# KiCad board Gear80 hotswap.kicad_pcb (continued)
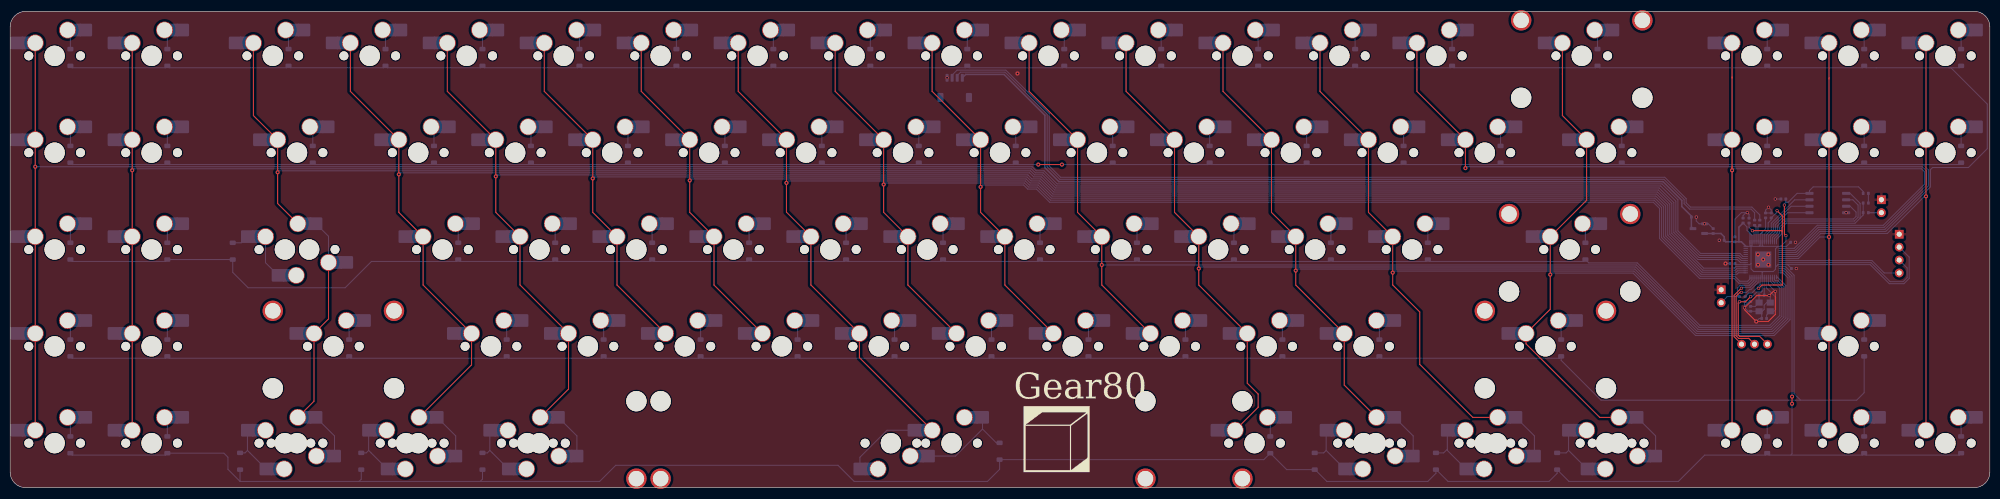
[diagram p0: board, top side]
## Nets (continued)
Net-(D17-A): D17.2 MX17.2
Net-(D18-A): D18.2 MX18.2
Net-(D19-A): D19.2 MX19.2
Net-(D20-A): D20.2 MX20.2
Net-(D21-A): D21.2 MX21.2
Net-(D22-A): D22.2 MX22.2
Net-(D23-A): D23.2 MX23.2
Net-(D24-A): D24.2 MX24.2
Net-(D25-A): D25.2 MX25.2
Net-(D26-A): D26.2 MX26.2
Net-(D27-A): D27.2 MX27.2
Net-(D28-A): D28.2 MX28.2
Net-(D29-A): D29.2 MX29.2
Net-(D30-A): D30.2 MX30.2
Net-(D31-A): D31.2 MX31.2
Net-(D32-A): D32.2 MX32.2
Net-(D33-A): D33.2 MX33.2
Net-(D34-A): D34.2 MX34.2
Net-(D35-A): D35.2 MX35.2
Net-(D36-A): D36.2 MX36.2
Net-(D37-A): D37.2 MX37.2
Net-(D38-A): D38.2 MX38.2
Net-(D40-A): D40.2 MX40.2
Net-(D41-A): D41.2 MX41.2
Net-(D42-A): D42.2 MX39.1 MX42.2
Net-(D43-A): D43.2 MX43.2
Net-(D44-A): D44.2 MX44.2
Net-(D45-A): D45.2 MX45.2
Net-(D46-A): D46.2 MX46.2
Net-(D47-A): D47.2 MX47.2
Net-(D48-A): D48.2 MX48.2
Net-(D49-A): D49.2 MX49.2
Net-(D50-A): D50.2 MX50.2
Net-(D51-A): D51.2 MX51.2
Net-(D52-A): D52.2 MX52.2
Net-(D53-A): D53.2 MX53.2
Net-(D54-A): D54.2 MX54.2
Net-(D55-A): D55.2 MX55.2
Net-(D56-A): D56.2 MX56.2
Net-(D57-A): D57.2 MX57.2
Net-(D58-A): D58.2 MX58.2
Net-(D59-A): D59.2 MX59.2
Net-(D60-A): D60.2 MX60.2
Net-(D61-A): D61.2 MX61.2
Net-(D62-A): D62.2 MX62.2
Net-(D63-A): D63.2 MX63.2
Net-(D64-A): D64.2 MX64.2
Net-(D65-A): D65.2 MX65.2
Net-(D66-A): D66.2 MX66.2
Net-(D67-A): D67.2 MX67.2
Net-(D68-A): D68.2 MX68.2
Net-(D69-A): D69.2 MX69.2
Net-(D70-A): D70.2 MX70.2
Net-(D71-A): D71.2 MX71.2
Net-(D72-A): D72.2 MX72.2 MX82.1
Net-(D73-A): D73.2 MX73.2 MX83.1
Net-(D74-A): D74.2 MX74.2 MX84.1
Net-(D75-A): D75.2 MX75.2 MX85.1
Net-(D76-A): D76.2 MX76.1 MX87.2
Net-(D77-A): D77.2 MX77.1 MX88.2
Net-(D78-A): D78.2 MX78.1 MX89.2
Net-(D79-A): D79.2 MX79.2
Net-(D80-A): D80.2 MX80.2
Net-(D81-A): D81.2 MX81.2
Net-(D86-A): D86.2 MX86.2
Net-(R6-Pad1): R6.1 R8.2
Net-(U1-USB_DM): R2.2 U1.46
Net-(U1-USB_DP): R1.2 U1.47

Pads without a net: J3 MP; U1 38 39 40 41

## Via types
v1: diameter 0.6, hole 0.4, Top to Bottom, 22 vias
v2: diameter 0.8, hole 0.4, Top to Bottom, 31 vias

## Routing (per net, layer and track width the routed paths; a pad name or vN(x,y) marks a point on that pad's centre or on a via; arc(x,y) is an arc through that point)
+1V1: length 43.1
  Top w0.2: v1(347.13,54.48) 348.17,53.44 348.17,50.42 ; v1(342.29,50.54) 348.05,50.54 348.17,50.42 ; 348.17,50.42 348.17,39.84 344.19,39.84 v1(343.51,39.17)
  Bottom w0.2: v1(347.13,54.48) 347.13,54.19 C3.1 ; C3.1 345.99,52.67 345.39,52.07 345.39,50.6 344.61,49.83 U1.50 ; C3.1 345.99,53.05 ; U1.23 343.81,39.89 343.33,39.41 ; U1.45 342.61,50.21 v1(342.29,50.54) 341.63,51.2 C1.1 ; 343.33,39.41 343.51,39.23 v1(343.51,39.17) ; 343.33,39.41 342.17,38.26 341.57,38.26 C2.1
+3V3: length 144
  Top w0.2: v1(341.94,37.56) 340.93,36.55 v1(339.75,36.55) 339.5,36.3 339.5,30.01 339.75,29.75 343.7,29.75 J2.1 ; v1(348.88,49.56) 348.57,49.86 v1(348.57,55.57)
  Bottom w0.2: 344.41,42.5 346.39,42.5 346.83,42.93 ; 344.41,42.5 342.54,42.5 342.03,43.01 342.03,44.07 ; 344.41,42.5 344.21,42.3 U1.22 344.21,38.62 344.04,38.45 343.14,38.45 342.24,37.56 v1(341.94,37.56) ; C11.1 341.23,51.27 341.23,50.61 342.21,49.62 U1.44 342.21,47.64 342.03,47.45 ; 344.41,47.45 344.21,47.65 U1.49 344.21,50.22 ; 344.41,47.45 347.58,47.45 ; 344.41,47.45 343.61,47.45 ; 342.03,47.45 343.61,47.45 ; 342.03,47.45 U1.42 ; 342.03,47.45 341.81,47.67 U1.43 341.81,50.02 ; 342.03,47.45 342.03,44.07 ; C8.1 349,47.45 U1.1 348.88,48.48 v1(348.88,49.56) ; 343.61,47.45 343.81,47.65 U1.48 343.81,49.82 344.88,50.89 C10.1 ; 349.21,43.85 C6.1 ; 349.21,43.85 U1.10 347.32,43.85 346.83,43.36 346.83,42.93 ; 349.21,43.85 365.44,43.85 369.18,40.11 372.07,40.11 373.1,41.14 373.1,45.34 J1.2 ; 342.03,44.07 341.81,43.85 U1.33 339.09,43.85 C9.1 ; 346.83,42.93 346.83,46.96 347.32,47.45 ; 348.86,56.13 348.57,55.84 v1(348.57,55.57) ; 348.86,56.13 C12.1 ; 348.86,56.13 349.33,56.13 351.07,57.88 U3.8 353.51,58.42 353.51,58.42 354.24,59.15 363.15,59.15 364.06,58.24 R6.2
  Bottom w0.3: 339.64,48.35 C5.1 337.05,48.35 C4.1 336.75,48.66 336.75,49.34 336.11,49.98 C16.1 332.9,49.98 U4.2 ; 339.64,48.35 340.13,48.35 340.98,47.5 ; 339.64,48.35 339.64,51.23 C11.1
+5V: length 164.4
  Bottom w0.3: U4.3 330.3,51.25 330.3,53.41 328.43,55.28 328.43,56.48 324.73,60.19 206.03,60.19 203.29,62.92 203.29,73.24 195.26,81.27 187.72,81.27 J3.1
GND: length 57.4
  Top w0.2: v1(332.89,51.89) 332.92,51.86 ; v1(346.79,38.6) 346.41,38.6 v1(345.57,37.76) 343.14,37.76 v1(340.74,35.36) 340.74,34.97 v2(343.05,32.66) 345.4,32.66 346.79,34.05 v1(346.79,38.6)
  Bottom w0.2: C12.2 v1(346.79,56.77) ; Y1.4 344.25,34.68 344.6,35.04 344.6,35.88 345.1,36.38 Y1.2 345.8,37.52 v1(345.57,37.76) ; Y1.4 343.6,34.68 C14.1 341.42,34.68 v1(340.74,35.36) ; Y1.4 344.12,34.17 C13.1 343.64,33.26 v2(343.05,32.66) ; C11.2 340.46,53.51 341.03,54.08 v1(341.28,54.08) ; C5.2 338.85,52.8 340.13,54.08 v1(341.28,54.08) ; C1.2 341.63,53.73 v1(341.28,54.08) ; U1.19 345.41,39.98 v1(346.79,38.6) ; C16.2 333.64,51.89 v1(332.89,51.89) 331.82,51.89 331.26,52.45 v1(331.26,53.21) ; v1(340.74,35.36) 340.74,35.66 341.86,36.78 ; v1(340.74,35.36) 340.74,36.79 ; v2(337.02,44.06) C9.2 ; 344.88,54.01 C10.2 344.88,54.57 v1(345.47,55.15) 345.99,54.62 C3.2 344.88,54.01
  vias: v1(184.07,80.61) v1(335.78,48.65) v1(350.76,48.25) v1(350.92,43.09) v1(360.71,54.07) v2(197.9,81.46) v2(343.38,45.88) v2(343.4,43.82) v2(344.41,44.86) v2(345.43,45.87) v2(345.44,43.83)
COL0: length 423.2
  Top w0.2: MX70.1 MX55.1 MX40.1 v2(4.92,63.12) MX20.1 MX1.1
  Bottom w0.2: v2(4.92,63.12) 200.74,63.12 200.76,63.14 201.58,62.32 203.12,62.32 205.71,59.74 324.54,59.74 327.65,56.62 327.65,50.5 332.09,46.06 339.84,46.06 340.44,45.45 U1.37
COL1: length 404.4
  Top w0.2: 23.97,62.67 MX21.1 MX2.1 ; 23.97,62.67 MX41.1 MX56.1 MX71.1 ; 23.97,62.67 v2(23.97,62.42)
  Bottom w0.2: U1.36 340.28,45.05 339.67,45.66 331.93,45.66 327.25,50.33 327.25,56.34 324.26,59.34 205.54,59.34 202.95,61.92 201.41,61.92 200.62,62.72 24.27,62.72 v2(23.97,62.42)
COL2: length 389.6
  Top w0.2: 52.55,62.32 v2(52.55,62.02) ; 52.55,62.32 MX22.1 47.78,73.18 MX3.1 ; 52.55,62.32 52.55,55.88 MX39.2 ; MX42.1 62.55,33.18 MX57.1 59.69,16.99 MX82.2
  Bottom w0.2: U1.35 340.11,44.65 339.51,45.26 331.76,45.26 326.85,50.17 326.85,56.06 323.98,58.94 205.37,58.94 202.79,61.52 201.25,61.52 200.45,62.32 52.85,62.32 v2(52.55,62.02) ; MX72.1 63.72,10.16 MX82.2 ; MX42.1 62.55,49.43 MX39.2
COL3: length 372.5
  Top w0.2: 76.36,61.53 76.36,54.13 MX43.1 81.12,39.85 MX58.1 90.65,24.13 MX83.2 ; 76.36,61.53 v2(76.36,61.62) ; 76.36,61.53 MX23.1 66.83,77.95 MX4.1
  Bottom w0.2: U1.34 339.95,44.25 339.34,44.86 331.6,44.86 326.45,50 326.45,55.9 323.81,58.54 205.21,58.54 202.62,61.12 201.08,61.12 200.29,61.92 76.66,61.92 v2(76.36,61.62) ; MX73.1 87.53,10.16 MX83.2
COL4: length 352.1
  Top w0.2: MX5.1 85.88,77.95 MX24.1 95.41,61.53 ; 95.41,61.53 v2(95.41,61.22) ; 95.41,61.53 95.41,54.13 MX44.1 100.17,39.85 MX59.1 109.7,19.37 MX84.2
  Bottom w0.2: MX84.2 111.34,10.16 MX74.1 ; v2(95.41,61.22) 95.71,61.52 199.94,61.52 200.74,60.72 202.46,60.72 205.04,58.14 323.65,58.14 326.05,55.73 326.05,49.84 332.73,43.16 338.74,43.16 339.03,43.45 U1.32
COL5: length 304.9
  Top w0.2: 114.46,60.73 114.46,54.13 MX45.1 119.22,39.85 MX60.1 ; 114.46,60.73 v2(114.46,60.82) ; 114.46,60.73 MX25.1 104.93,77.95 MX6.1
  Bottom w0.2: v2(114.46,60.82) 114.76,61.12 199.78,61.12 200.57,60.32 202.29,60.32 204.88,57.74 323.48,57.74 325.65,55.56 325.65,49.67 332.57,42.76 338.9,42.76 339.2,43.05 U1.31
COL6: length 286.1
  Top w0.2: MX61.1 138.27,39.85 MX46.1 133.51,54.13 133.51,60.73 ; 133.51,60.73 MX26.1 123.98,77.95 MX7.1 ; 133.51,60.73 v2(133.51,60.42)
  Bottom w0.2: v2(133.51,60.42) 133.81,60.72 199.61,60.72 200.41,59.92 202.13,59.92 204.71,57.34 323.32,57.34 325.25,55.4 325.25,49.5 332.4,42.36 339.07,42.36 339.36,42.65 U1.30
COL7: length 307
  Top w0.2: MX75.1 166.85,25.56 MX62.1 157.32,39.85 MX47.1 152.51,54.18 152.51,68.38 MX27.1 143.03,77.95 MX8.1
  Bottom w0.2: v2(152.51,59.94) 152.89,60.32 199.45,60.32 200.24,59.52 201.96,59.52 204.55,56.94 323.15,56.94 324.85,55.23 324.85,49.33 332.23,41.96 339.23,41.96 339.53,42.25 U1.29 ; MX75.1 172.26,11.27 166.95,5.96 MX85.2
COL8: length 249.7
  Top w0.2: 171.61,59.94 171.61,54.13 MX48.1 176.37,39.85 MX63.1 ; 171.61,59.94 v2(171.61,59.62) ; 171.61,59.94 MX28.1 162.08,77.95 MX9.1
  Bottom w0.2: U1.28 341.81,41.03 341.37,40.59 339.82,40.59 338.85,41.56 332.06,41.56 324.45,49.16 324.45,55.07 322.99,56.54 204.38,56.54 201.79,59.12 200.08,59.12 199.28,59.92 171.91,59.92 v2(171.61,59.62)
COL9: length 231
  Top w0.2: MX10.1 181.13,77.95 MX29.1 190.66,54.13 MX49.1 195.42,39.85 MX64.1
  Bottom w0.2: v2(190.66,59.15) 191.03,59.52 199.12,59.52 199.91,58.72 201.63,58.72 204.21,56.14 322.82,56.14 324.05,54.9 324.05,49 331.9,41.16 338.68,41.16 339.65,40.19 341.54,40.19 342.21,40.87 U1.27
COL10: length 215.7
  Top w0.2: MX65.1 214.47,39.85 214.47,44.07 ; 214.47,44.07 MX50.1 209.71,54.13 MX30.1 200.18,77.95 MX11.1 ; 214.47,44.07 v2(214.47,43.79)
  Bottom w0.2: v2(214.47,43.79) 319.51,43.79 331.78,31.52 345.9,31.52 348.08,33.7 348.08,39.38 347.18,40.28 346.65,40.28 346.21,40.72 U1.17
COL11: length 219.1
  Top w0.2: 233.52,43.27 233.52,39.85 MX66.1 243.05,20.54 245.19,18.4 245.19,15.79 MX86.1 ; 233.52,43.27 MX51.1 228.76,54.13 MX31.1 219.23,77.95 MX12.1 ; 233.52,43.27 v2(233.52,43.09)
  Bottom w0.2: U1.16 346.61,40.88 346.82,40.68 347.35,40.68 348.48,39.55 348.48,33.53 346.07,31.12 331.62,31.12 319.35,43.39 233.82,43.39 v2(233.52,43.09)
COL12: length 207
  Top w0.2: 252.57,42.48 MX52.1 247.81,54.13 MX32.1 238.28,77.95 MX13.1 ; 252.57,42.48 252.57,39.85 MX67.1 262.1,20.16 MX76.2 ; 252.57,42.48 v2(252.57,42.69)
  Bottom w0.2: U1.15 347.18,41.42 348.88,39.71 348.88,33.36 346.23,30.72 331.45,30.72 319.18,42.99 252.84,42.99 252.57,42.72 v2(252.57,42.69) ; MX76.2 275.65,10.16 MX87.1
COL13: length 194.3
  Top w0.2: 271.62,42.48 271.62,39.86 276.94,34.54 276.94,24.22 287.35,13.81 MX77.2 ; 271.62,42.48 MX53.1 266.86,54.13 MX33.1 257.33,77.95 MX14.1 ; 271.62,42.48 v2(271.62,42.29)
  Bottom w0.2: U1.14 348.3,42.25 349.28,41.28 349.28,33.2 346.4,30.32 331.28,30.32 319.02,42.59 271.92,42.59 v2(271.62,42.29) ; MX88.1 299.46,10.16 MX77.2
COL14: length 156.4
  Top w0.2: v2(285.91,62.84) 285.91,62.84 MX34.1 276.38,77.95 MX15.1
  Bottom w0.2: U1.3 350.66,46.65 355.2,51.19 368.18,51.19 376.47,59.49 376.47,62.32 375.67,63.12 286.18,63.12 v2(285.91,62.84)
COL15: length 164
  Top w0.2: 302.58,41.68 v2(302.58,41.89) ; 302.58,41.68 302.58,35.08 MX68.1 297.81,28.28 312.28,13.81 MX78.2 ; 302.58,41.68 MX54.1 309.72,56.51 MX35.1 304.96,73.18 MX16.1
  Bottom w0.2: MX89.1 323.27,10.16 MX78.2 ; U1.13 348.47,42.65 349.68,41.44 349.68,33.03 346.57,29.92 331.12,29.92 318.85,42.19 302.88,42.19 v2(302.58,41.89)
COL16: length 151.2
  Top w0.2: 338.3,80.58 MX36.1 338.3,63.12 ; 338.3,80.58 338.3,80.79 ; 338.3,80.58 MX17.1 ; 338.3,63.12 v2(338.3,62.42) ; 338.3,63.12 MX79.1
  Bottom w0.2: v2(338.3,62.42) 338.6,62.72 375.51,62.72 376.07,62.16 376.07,59.65 368.01,51.59 355.04,51.59 350.5,47.05 U1.2
COL17: length 87.6
  Top w0.2: MX80.1 MX69.1 MX37.1 357.35,80.58 ; MX18.1 357.35,80.58 ; 357.35,80.58 357.35,80.39
  Bottom w0.2: U1.7 351.32,45.05 355.57,49.29 v2(357.35,49.29)
COL18: length 109.7
  Top w0.2: MX19.1 MX38.1 MX81.1
  Bottom w0.2: v2(376.4,57.29) 376.1,57.29 368.8,49.99 355.7,49.99 351.16,45.45 U1.6
QSPI_SCLK: length 12.5
  Bottom w0.2: U1.52 345.41,49.5 346.39,50.48 346.39,51.84 349.89,55.34 U3.6
QSPI_SD0: length 11.5
  Bottom w0.2: U1.53 345.81,49.33 346.79,50.31 346.79,51.67 349.19,54.07 U3.5
QSPI_SD1: length 24.8
  Bottom w0.2: U3.2 362.03,56.61 363.06,55.58 363.06,53.17 362.32,52.43 348.81,52.43 347.59,51.22 347.59,49.98 346.61,49 U1.55
QSPI_SD2: length 23.1
  Bottom w0.2: U3.3 361.51,55.34 362.66,54.19 362.66,53.34 362.15,52.83 348.59,52.83 347.19,51.44 347.19,50.15 346.21,49.16 U1.54
QSPI_SD3: length 13.5
  Bottom w0.2: U3.7 350.6,56.61 345.99,52 345.99,50.64 345.01,49.66 U1.51
QSPI_SS: length 29.1
  Bottom w0.2: 363.45,53 363.46,53.01 363.46,55.9 361.48,57.88 U3.1 ; R8.1 R9.2 364.06,53.61 362.45,52 348.94,52 347.99,51.06 347.99,49.81 347.01,48.83 U1.56
RESET: length 10.5
  Bottom w0.2: U1.26 342.61,40.7 341.71,39.79 339.89,39.79 339.34,39.25 339.34,37.98 R7.1 337.36,37.57 RESET1.2
ROW0: length 447.5
  Bottom w0.2: 380.92,82.59 364.62,82.59 D18.1 363.88,82.59 345.57,82.59 D17.1 344.83,82.59 312.23,82.59 D16.1 311.49,82.59 283.66,82.59 D15.1 282.92,82.59 264.61,82.59 D14.1 263.87,82.59 245.56,82.59 D13.1 244.82,82.59 226.51,82.59 D12.1 225.77,82.59 207.46,82.59 D11.1 206.72,82.59 188.41,82.59 D10.1 187.67,82.59 169.36,82.59 D9.1 168.62,82.59 150.31,82.59 D8.1 149.57,82.59 131.26,82.59 D7.1 130.52,82.59 112.21,82.59 D6.1 111.47,82.59 93.16,82.59 D5.1 92.42,82.59 74.11,82.59 D4.1 73.37,82.59 55.06,82.59 D3.1 54.32,82.59 31.25,82.59 D2.1 30.5,82.59 12.2,82.59 D1.1 ; 380.92,82.59 382.93,82.59 D19.1 ; 380.92,82.59 381.29,82.59 388.44,75.44 388.44,66.66 384.73,62.96 377.69,62.96 377.27,62.53 377.27,59.15 368.51,50.39 355.53,50.39 350.99,45.85 U1.5
ROW1: length 416.5
  Top w0.2: v2(206.64,63.54) 206.63,63.54 v2(201.99,63.54)
  Bottom w0.2: 375.44,63.54 382.93,63.54 D38.1 ; 375.44,63.54 375.82,63.54 376.87,62.49 376.87,59.32 368.34,50.79 355.37,50.79 350.83,46.25 U1.4 ; 375.44,63.54 364.62,63.54 D37.1 363.88,63.54 345.57,63.54 D36.1 344.83,63.54 317,63.54 D35.1 316.25,63.54 293.18,63.54 D34.1 292.44,63.54 274.13,63.54 D33.1 273.39,63.54 255.08,63.54 D32.1 254.34,63.54 236.03,63.54 D31.1 235.29,63.54 216.98,63.54 D30.1 216.24,63.54 v2(206.64,63.54) ; v2(201.99,63.54) 201.99,63.54 197.93,63.54 D29.1 197.19,63.54 178.88,63.54 D28.1 178.14,63.54 159.83,63.54 D27.1 159.09,63.54 140.78,63.54 D26.1 140.04,63.54 121.73,63.54 D25.1 120.99,63.54 102.68,63.54 D24.1 101.94,63.54 83.63,63.54 D23.1 82.89,63.54 59.82,63.54 D22.1 59.08,63.54 31.25,63.54 D21.1 30.5,63.54 12.2,63.54 D20.1
ROW2: length 360.4
  Bottom w0.2: U1.18 345.81,40.55 346.49,39.88 347.02,39.88 347.68,39.22 347.68,33.86 345.74,31.92 331.95,31.92 319.68,44.19 310.15,44.19 D54.1 309.11,44.49 278.9,44.49 D53.1 278.15,44.49 259.85,44.49 D52.1 259.1,44.49 240.8,44.49 D51.1 240.05,44.49 221.75,44.49 D50.1 221,44.49 202.7,44.49 D49.1 201.95,44.49 183.65,44.49 D48.1 182.9,44.49 164.6,44.49 D47.1 163.85,44.49 145.55,44.49 D46.1 144.8,44.49 126.5,44.49 D45.1 125.75,44.49 107.45,44.49 D44.1 106.7,44.49 88.4,44.49 D43.1 87.65,44.49 70.99,44.49 65.8,39.3 46.75,39.3 43.72,42.33 D42.1 43.71,44.86 D41.1 30.5,44.49 12.2,44.49 D40.1
ROW3: length 396.7
  Bottom w0.2: U1.11 348.8,43.45 350.48,41.77 350.48,18.48 351.77,17.18 ; D69.1 364.25,18.67 362.77,17.18 312.55,17.18 304.72,25.02 D68.1 304.35,25.44 269.37,25.44 D67.1 268.63,25.44 250.32,25.44 D66.1 249.58,25.44 231.27,25.44 D65.1 230.53,25.44 212.22,25.44 D64.1 211.48,25.44 193.17,25.44 D63.1 192.43,25.44 174.12,25.44 D62.1 173.38,25.44 155.07,25.44 D61.1 154.33,25.44 136.02,25.44 D60.1 135.28,25.44 116.97,25.44 D59.1 116.23,25.44 97.92,25.44 D58.1 97.18,25.44 66.97,25.44 D57.1 66.22,25.44 31.25,25.44 D56.1 30.5,25.44 12.2,25.44 D55.1
ROW4: length 436.9
  Top w0.2: v2(350.08,16.48) v2(350.08,17.88)
  Bottom w0.2: 45.16,1.2 42.78,3.58 42.78,5.97 41.99,6.76 D71.1 30.5,6.39 12.2,6.39 D70.1 ; 45.16,1.2 68.54,1.2 ; 45.16,1.2 45.16,1.2 D72.1 ; 68.54,1.2 68.98,1.64 D73.1 ; 68.54,1.2 92.34,1.2 ; 349.84,6.39 350.08,6.63 v2(350.08,16.48) ; 92.34,1.2 92.79,1.66 D74.1 ; 92.34,1.2 115.81,1.2 118.98,4.38 162.64,4.38 165.81,1.2 192.01,1.2 194.39,3.58 D75.1 246.3,5.49 D86.1 250.81,3.52 D76.1 256.36,3.52 258.68,1.2 278.53,1.2 280.11,2.79 D77.1 280.18,3.52 282.49,1.2 302.34,1.2 303.93,2.79 D78.1 306.24,1.2 327.74,1.2 332.92,6.39 344.83,6.39 D79.1 345.57,6.39 363.88,6.39 D80.1 364.62,6.39 382.93,6.39 D81.1 ; U1.12 348.64,43.05 350.08,41.61 350.08,17.89 v2(350.08,17.88)
SCL: length 30.8
  Bottom w0.2: J1.3 372.7,43.2 372.7,41.31 371.9,40.51 369.35,40.51 365.6,44.25 U1.9
SDA: length 24.3
  Bottom w0.2: J1.4 368.2,42.22 365.77,44.65 U1.8
SWCLK: length 18.6
  Top w0.2: J2.2 341.56,29.35 339.59,29.35 339.1,29.84 339.1,37.65 339.84,38.39 340.14,38.39
  Bottom w0.2: U1.24 343.41,40.37 342.04,38.99 341.74,38.99 341.14,38.39 v1(340.14,38.39)
SWD: length 16.5
  Top w0.2: J2.3 338.7,29.68 338.7,37.82 340.07,39.19 v1(340.14,39.19)
  Bottom w0.2: U1.25 343.01,40.53 341.87,39.39 340.33,39.39 v1(340.14,39.19)
USB_D+: length 179
  Bottom w0.2: R1.1 343.74,53.63 342.19,55.18 330.12,55.18 329.28,56.02 329.28,56.84 325.08,61.04 206.38,61.04 204.14,63.28 204.14,73.59 195.61,82.12 186.04,82.12 185.07,81.15 J3.3
USB_D-: length 176.8
  Bottom w0.2: 342.73,52.61 342.73,54.08 342.03,54.78 329.95,54.78 328.88,55.85 328.88,56.67 324.91,60.64 206.21,60.64 203.74,63.11 203.74,73.43 195.45,81.72 186.72,81.72 186.07,81.06 J3.2
XIN: length 10.1
  Bottom w0.2: U1.20 345.01,39.3 346.86,37.45 346.86,35.04 346.5,34.68 Y1.3 345.8,34.65 345.08,33.93 C13.2
XOUT: length 3.6
  Bottom w0.2: U1.21 344.61,37.83 R5.2
Net-(BOOT1-Pad2): length 2.6
  Bottom w0.25: R9.1 367.63,54.07 BOOT1.2
Net-(C14-Pad2): length 3.4
  Bottom w0.2: C14.2 342.86,35.64 Y1.1 343.6,36.39 R5.1
Net-(D1-A): length 4
  Bottom w0.2: D1.2 11.83,89.46 MX1.2
Net-(D2-A): length 4
  Bottom w0.2: MX2.2 30.88,89.46 D2.2
Net-(D3-A): length 4
  Bottom w0.2: D3.2 54.69,89.46 MX3.2
Net-(D4-A): length 4
  Bottom w0.2: D4.2 73.74,89.46 MX4.2
Net-(D5-A): length 4
  Bottom w0.2: MX5.2 92.79,89.46 D5.2
Net-(D6-A): length 4
  Bottom w0.2: MX6.2 111.84,89.46 D6.2
Net-(D7-A): length 4
  Bottom w0.2: D7.2 130.89,89.46 MX7.2
Net-(D8-A): length 4
  Bottom w0.2: MX8.2 149.94,89.46 D8.2
Net-(D9-A): length 4
  Bottom w0.2: D9.2 168.99,89.46 MX9.2
Net-(D10-A): length 4
  Bottom w0.2: D10.2 188.04,89.46 MX10.2
Net-(D11-A): length 4
  Bottom w0.2: MX11.2 207.09,89.46 D11.2
Net-(D12-A): length 4
  Bottom w0.2: D12.2 226.14,89.46 MX12.2
Net-(D13-A): length 4
  Bottom w0.2: MX13.2 245.19,89.46 D13.2
Net-(D14-A): length 4
  Bottom w0.2: MX14.2 264.24,89.46 D14.2
Net-(D15-A): length 4
  Bottom w0.2: D15.2 283.29,89.46 MX15.2
Net-(D16-A): length 4
  Bottom w0.2: D16.2 311.86,89.46 MX16.2
Net-(D17-A): length 4
  Bottom w0.2: D17.2 345.2,89.46 MX17.2
Net-(D18-A): length 4
  Bottom w0.2: D18.2 364.25,89.46 MX18.2
Net-(D19-A): length 4
  Bottom w0.2: MX19.2 383.3,89.46 D19.2
Net-(D20-A): length 4
  Bottom w0.2: D20.2 11.83,70.41 MX20.2
Net-(D21-A): length 4
  Bottom w0.2: MX21.2 30.88,70.41 D21.2
Net-(D22-A): length 4
  Bottom w0.2: D22.2 59.45,70.41 MX22.2
Net-(D23-A): length 4
  Bottom w0.2: D23.2 83.26,70.41 MX23.2
Net-(D24-A): length 4
  Bottom w0.2: MX24.2 102.31,70.41 D24.2
Net-(D25-A): length 4
  Bottom w0.2: MX25.2 121.36,70.41 D25.2
Net-(D26-A): length 4
  Bottom w0.2: MX26.2 140.41,70.41 D26.2
Net-(D27-A): length 4
  Bottom w0.2: MX27.2 159.46,70.41 D27.2
Net-(D28-A): length 4
  Bottom w0.2: D28.2 178.51,70.41 MX28.2
Net-(D29-A): length 4
  Bottom w0.2: MX29.2 197.56,70.41 D29.2
Net-(D30-A): length 4
  Bottom w0.2: MX30.2 216.61,70.41 D30.2
Net-(D31-A): length 4
  Bottom w0.2: MX31.2 235.66,70.41 D31.2
Net-(D32-A): length 4
  Bottom w0.2: MX32.2 254.71,70.41 D32.2
Net-(D33-A): length 4
  Bottom w0.2: D33.2 273.76,70.41 MX33.2
Net-(D34-A): length 4
  Bottom w0.2: MX34.2 292.81,70.41 D34.2
Net-(D35-A): length 4
  Bottom w0.2: D35.2 316.63,70.41 MX35.2
Net-(D36-A): length 4
  Bottom w0.2: MX36.2 345.2,70.41 D36.2
Net-(D37-A): length 4
  Bottom w0.2: MX37.2 364.25,70.41 D37.2
Net-(D38-A): length 4
  Bottom w0.2: D38.2 383.3,70.41 MX38.2
Net-(D40-A): length 4
  Bottom w0.2: D40.2 11.83,51.36 MX40.2
Net-(D41-A): length 4
  Bottom w0.2: D41.2 30.88,51.36 MX41.2
Net-(D42-A): length 12
  Bottom w0.2: D42.2 45.39,48.15 MX39.1 ; MX42.2 50.16,44.23 MX39.1
Net-(D43-A): length 4
  Bottom w0.2: MX43.2 88.03,51.36 D43.2
Net-(D44-A): length 4
  Bottom w0.2: MX44.2 107.08,51.36 D44.2
Net-(D45-A): length 4
  Bottom w0.2: D45.2 126.13,51.36 MX45.2
Net-(D46-A): length 4
  Bottom w0.2: D46.2 145.18,51.36 MX46.2
Net-(D47-A): length 4
  Bottom w0.2: D47.2 164.23,51.36 MX47.2
Net-(D48-A): length 4
  Bottom w0.2: D48.2 183.28,51.36 MX48.2
Net-(D49-A): length 4
  Bottom w0.2: MX49.2 202.33,51.36 D49.2
Net-(D50-A): length 4
  Bottom w0.2: MX50.2 221.38,51.36 D50.2
Net-(D51-A): length 4
  Bottom w0.2: D51.2 240.43,51.36 MX51.2
Net-(D52-A): length 4
  Bottom w0.2: MX52.2 259.48,51.36 D52.2
Net-(D53-A): length 4
  Bottom w0.2: D53.2 278.53,51.36 MX53.2
Net-(D54-A): length 4
  Bottom w0.2: D54.2 309.48,51.36 MX54.2
Net-(D55-A): length 4
  Bottom w0.2: D55.2 11.83,32.31 MX55.2
Net-(D56-A): length 4
  Bottom w0.2: D56.2 30.88,32.31 MX56.2
Net-(D57-A): length 4
  Bottom w0.2: D57.2 66.59,32.31 MX57.2
Net-(D58-A): length 4
  Bottom w0.2: MX58.2 97.55,32.31 D58.2
Net-(D59-A): length 4
  Bottom w0.2: MX59.2 116.6,32.31 D59.2
Net-(D60-A): length 4
  Bottom w0.2: MX60.2 135.65,32.31 D60.2
Net-(D61-A): length 4
  Bottom w0.2: D61.2 154.7,32.31 MX61.2
Net-(D62-A): length 4
  Bottom w0.2: MX62.2 173.75,32.31 D62.2
Net-(D63-A): length 4
  Bottom w0.2: MX63.2 192.8,32.31 D63.2
Net-(D64-A): length 4
  Bottom w0.2: MX64.2 211.85,32.31 D64.2
Net-(D65-A): length 4
  Bottom w0.2: MX65.2 230.9,32.31 D65.2
Net-(D66-A): length 4
  Bottom w0.2: MX66.2 249.95,32.31 D66.2
Net-(D67-A): length 4
  Bottom w0.2: MX67.2 269,32.31 D67.2
Net-(D68-A): length 4
  Bottom w0.2: MX68.2 304.72,32.31 D68.2
Net-(D69-A): length 4
  Bottom w0.2: MX69.2 364.25,32.31 D69.2
Net-(D70-A): length 4
  Bottom w0.2: MX70.2 11.83,13.26 D70.2
Net-(D71-A): length 4
  Bottom w0.2: MX71.2 30.88,13.26 D71.2
Net-(D72-A): length 10.8
  Bottom w0.2: 46.61,7.3 MX82.1 ; 46.61,7.3 46.13,6.82 D72.2 ; 46.61,7.3 MX72.2
Net-(D73-A): length 10.8
  Bottom w0.2: 70.43,7.3 MX73.2 ; 70.43,7.3 MX83.1 ; 70.43,7.3 69.95,6.82 D73.2
Net-(D74-A): length 10.8
  Bottom w0.2: MX74.2 94.24,7.3 ; D74.2 93.76,6.82 94.24,7.3 ; 94.24,7.3 MX84.1
Net-(D75-A): length 19.6
  Bottom w0.2: MX85.1 185.72,6.19 191.03,11.51 ; D75.2 193.75,8.79 191.03,11.51 ; 191.03,11.51 MX75.2
Net-(D76-A): length 11.6
  Bottom w0.2: MX87.2 258.55,7.3 ; 258.55,7.3 MX76.1 ; 258.55,7.3 258.07,6.82 D76.2
Net-(D77-A): length 11.7
  Bottom w0.2: 282.36,7.55 282.36,7.3 MX88.2 ; 282.36,7.55 281.63,6.82 D77.2 ; 282.36,7.55 MX77.1
Net-(D78-A): length 11.6
  Bottom w0.2: MX89.2 306.17,7.3 ; 306.17,7.3 MX78.1 ; 306.17,7.3 305.69,6.82 D78.2
Net-(D79-A): length 4
  Bottom w0.2: D79.2 345.2,13.26 MX79.2
Net-(D80-A): length 4
  Bottom w0.2: D80.2 364.25,13.26 MX80.2
Net-(D81-A): length 4
  Bottom w0.2: D81.2 383.3,13.26 MX81.2
Net-(D86-A): length 4
  Bottom w0.2: D86.2 247.57,13.26 MX86.2
Net-(R6-Pad1): length 1.9
  Bottom w0.2: R6.1 R8.2
Net-(U1-USB_DM): length 3.4
  Bottom w0.2: U1.46 343.01,51.3 342.73,51.59
Net-(U1-USB_DP): length 3.4
  Bottom w0.2: R1.2 343.41,51.26 U1.47

## Copper pours and planes (outline as drawn; the poured copper is in the pictures)
GND on Top, Bottom: -4.06,98.62 394.44,98.82 394.44,-4.08 -4.06,-4.18

## Text on the board
B.Silkscreen: SWD | SWCLK | +3V3 | GND | SCL | SDA | RESET | BOOT | DISP | V-+G
F.Silkscreen: Gear80
